# Altium PCB MB1312.PcbDoc (part 1 of 4)
Units mil, origin at the board's own origin, x right, y up, seen from the top; angles counter-clockwise.
Board outline 2755.91 x 5249.6 mil, 6 copper layers (Top Layer, GND, Signal, PWR, GND (Mid2), Bottom Layer), stack 74.545 mil thick; 297 components, 280 nets, 1142 pads, 623 vias.
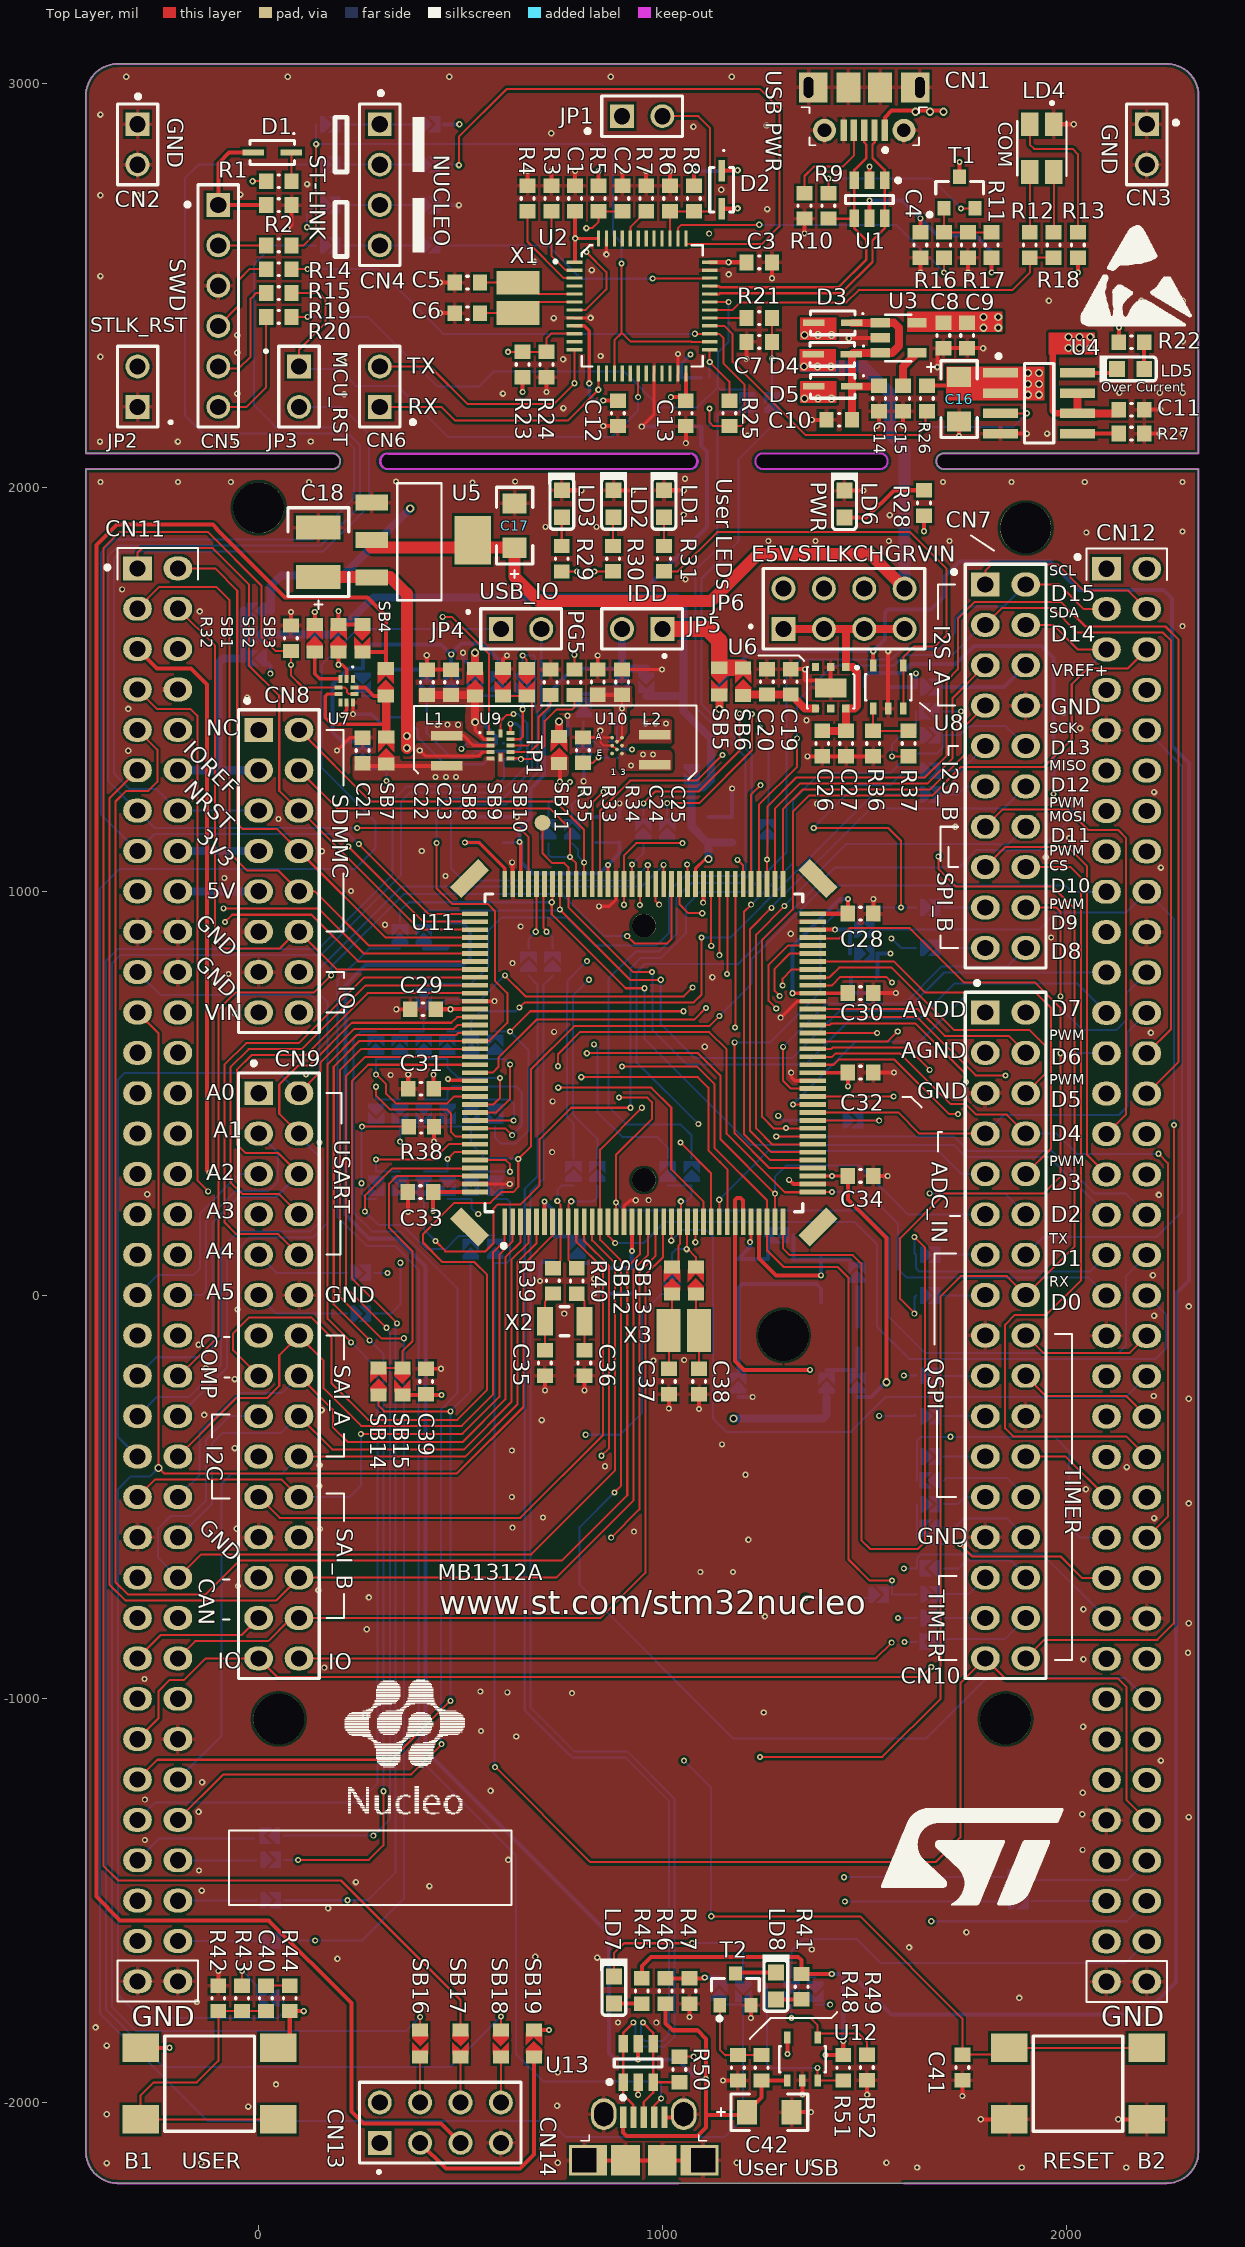
[diagram p0: Top Layer view]
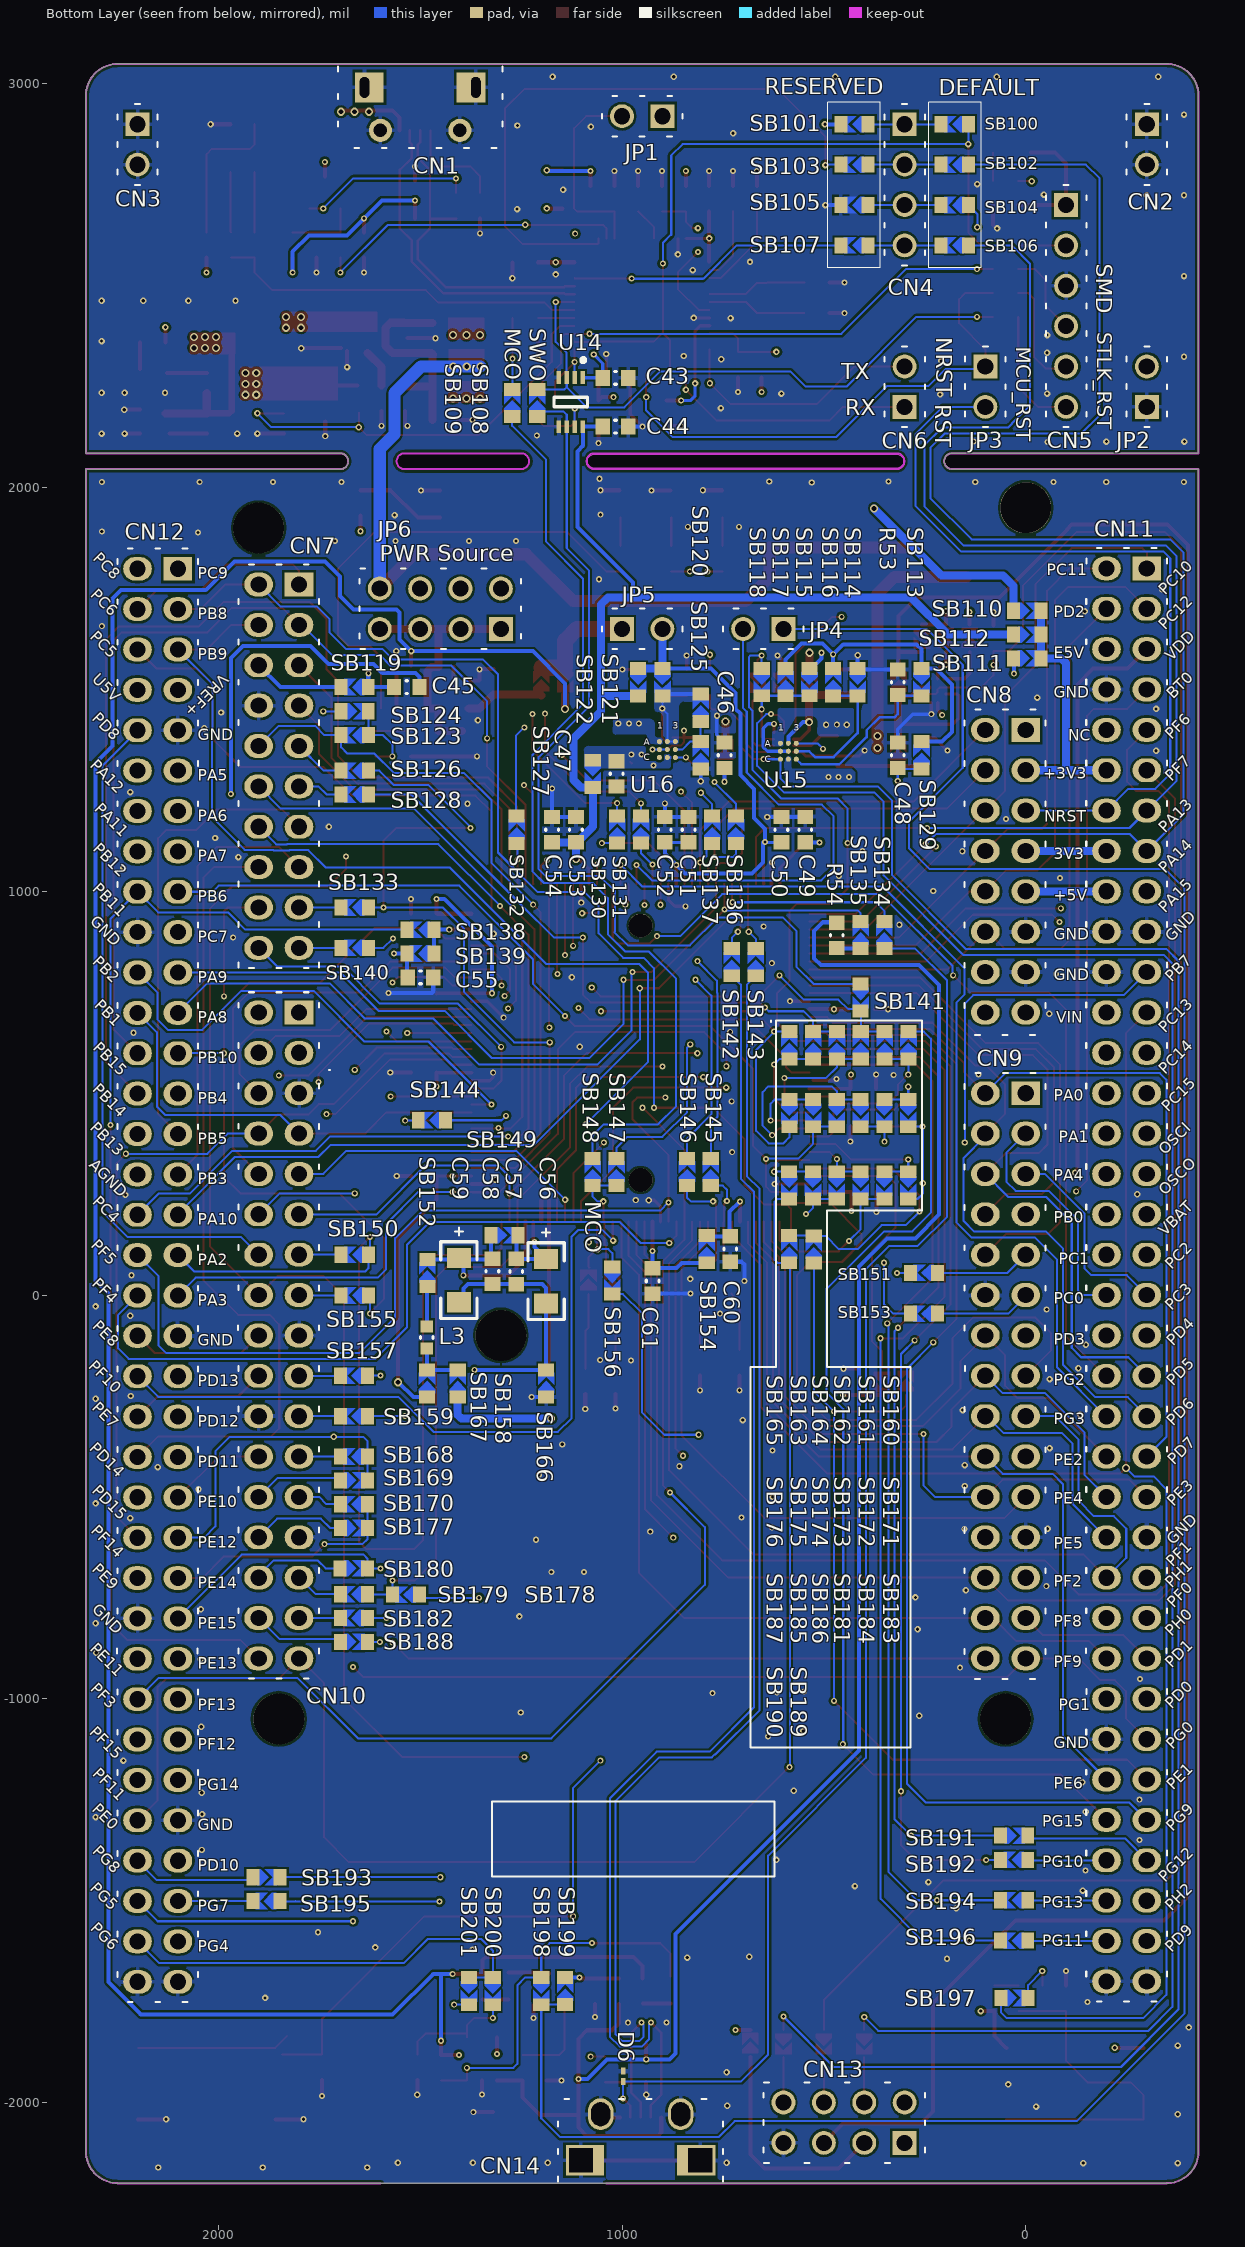
[diagram p1: Bottom Layer view, seen from below]
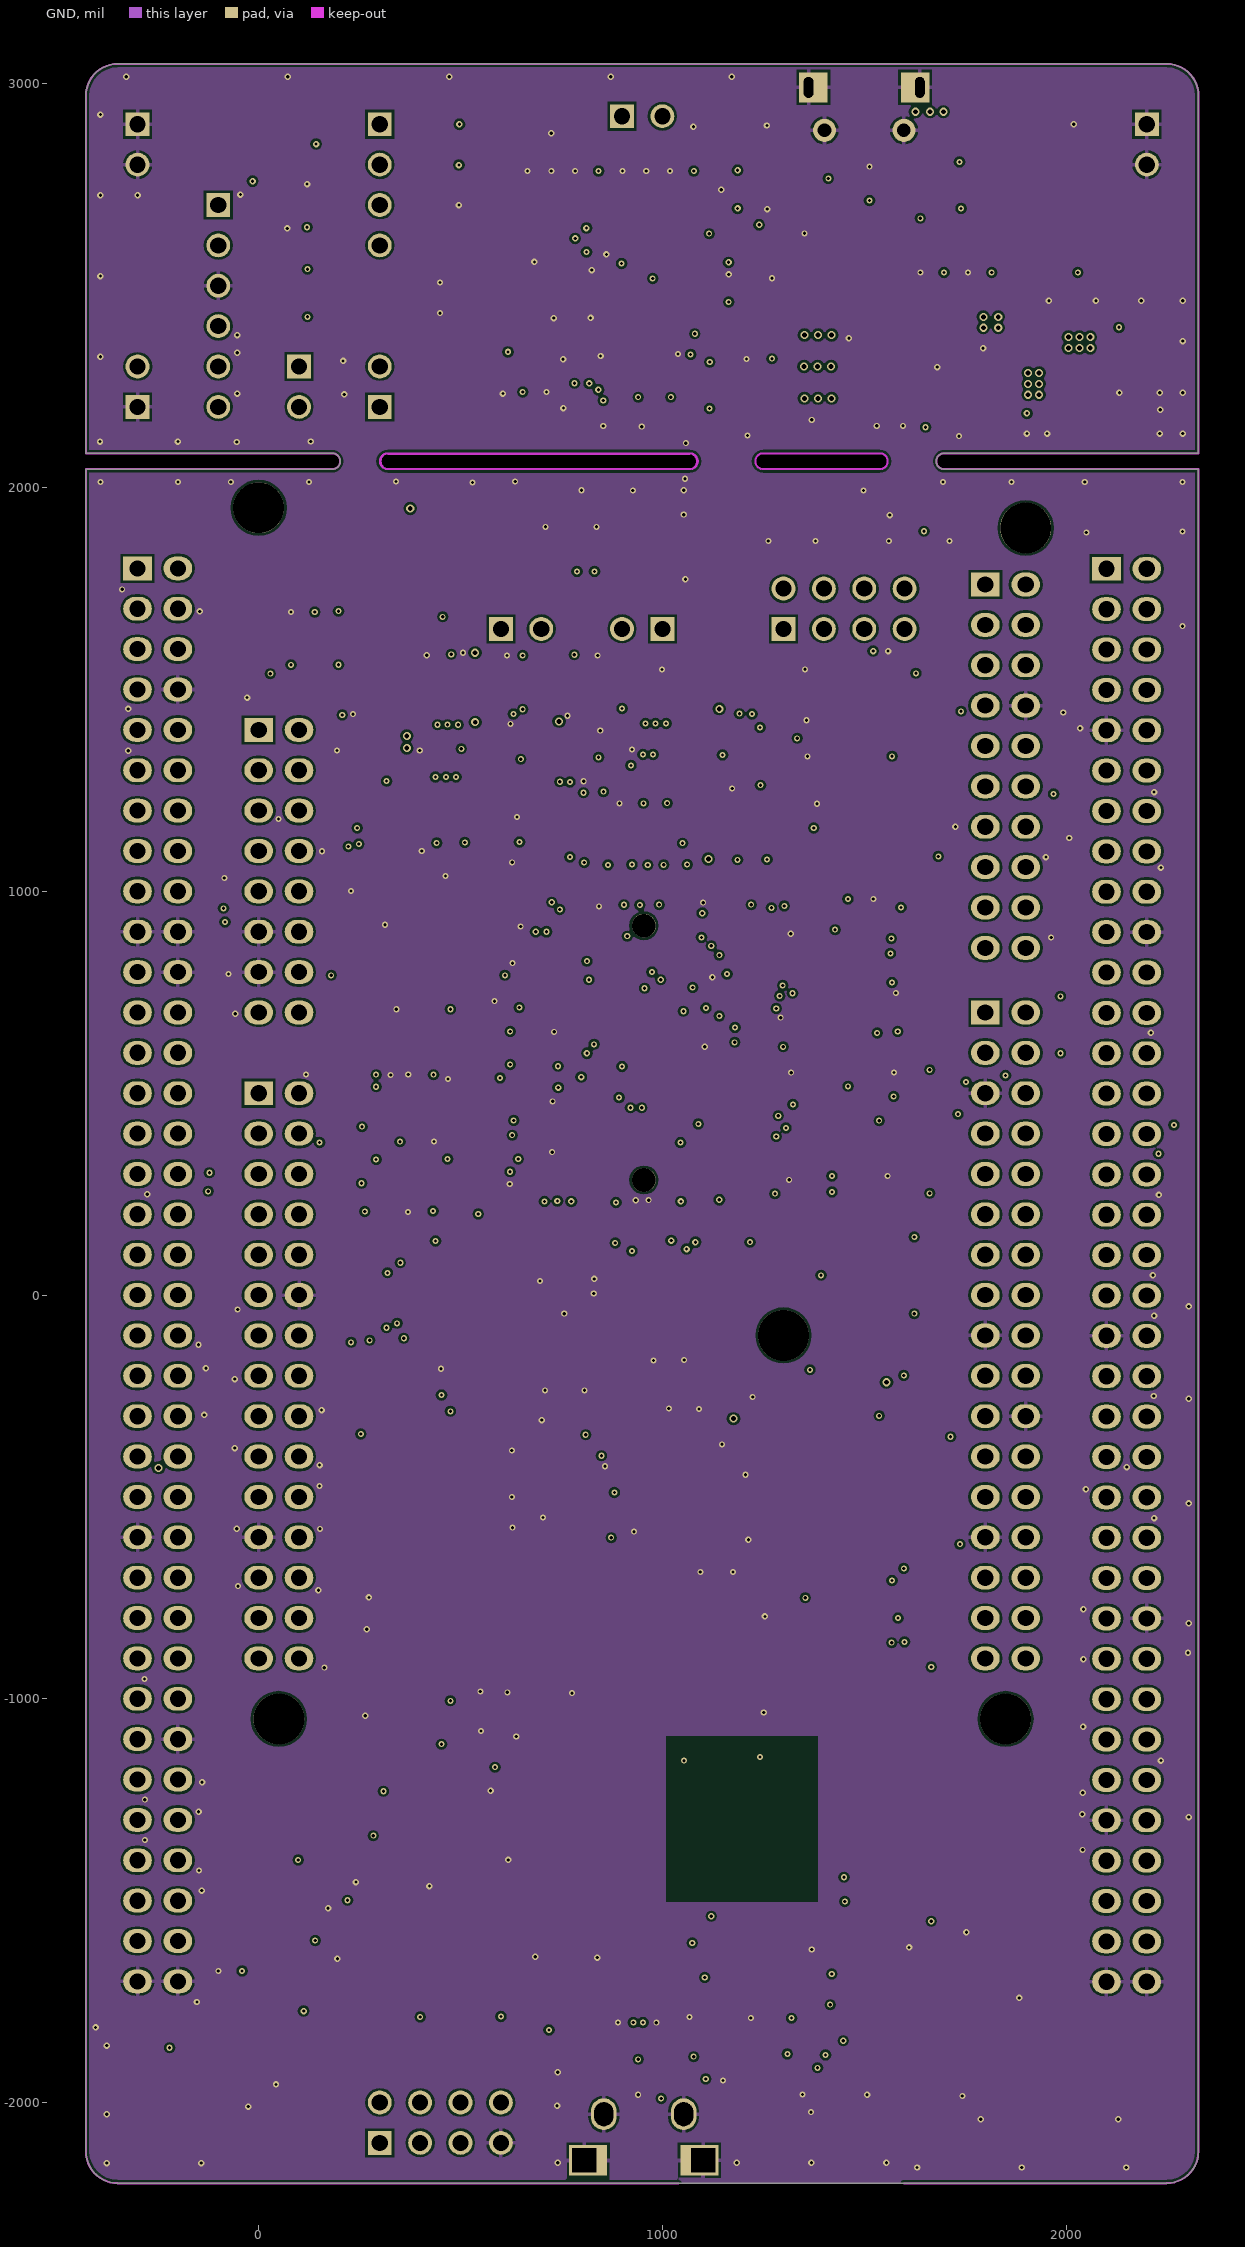
[diagram p2: GND]
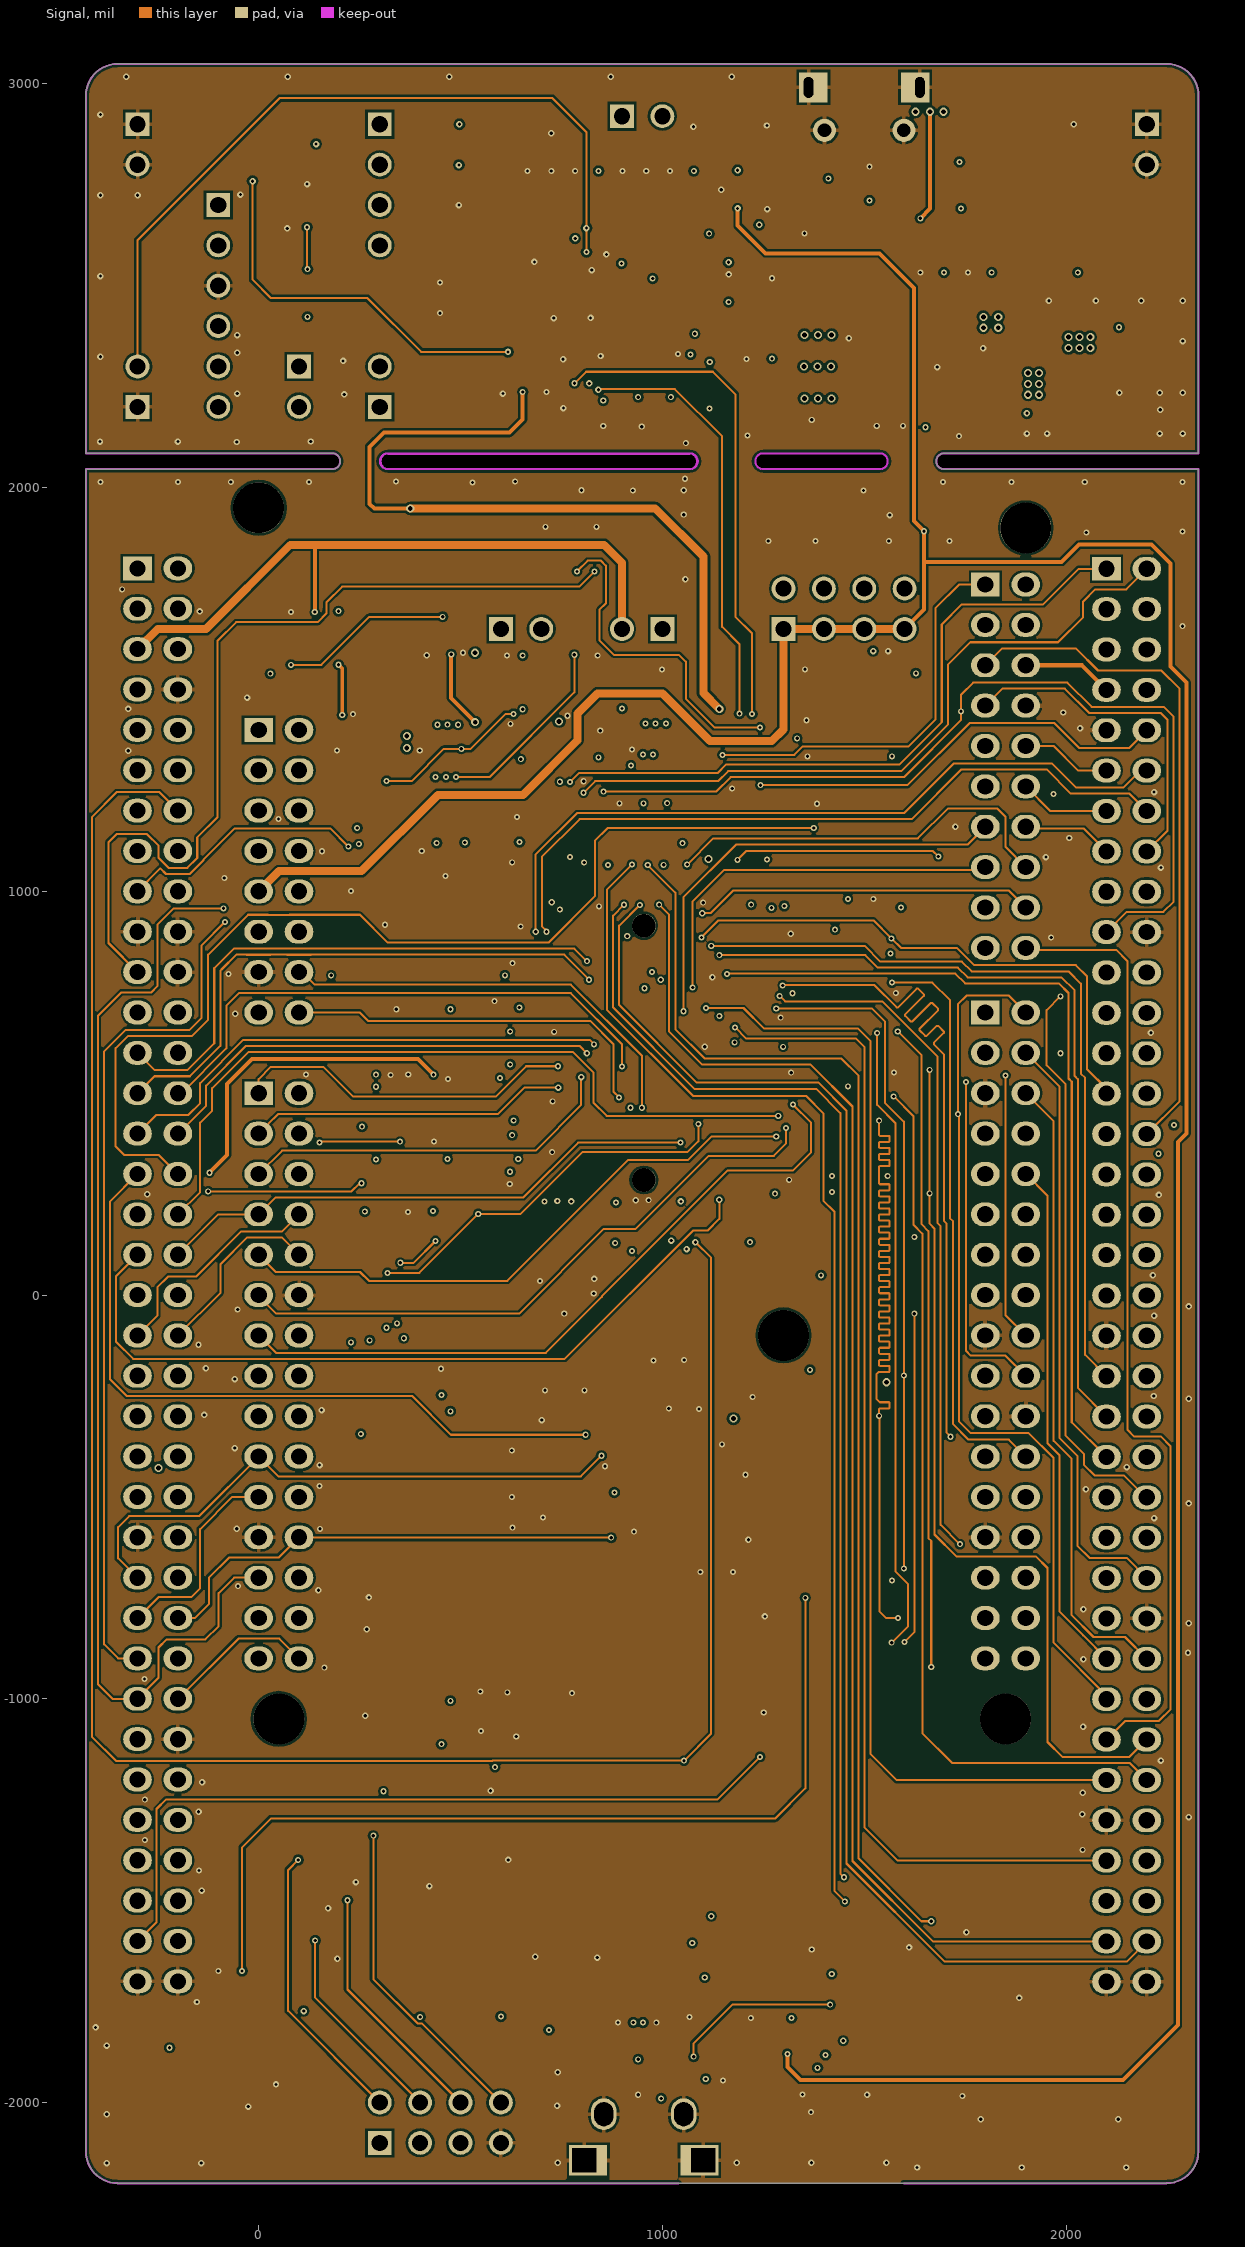
[diagram p3: Signal]
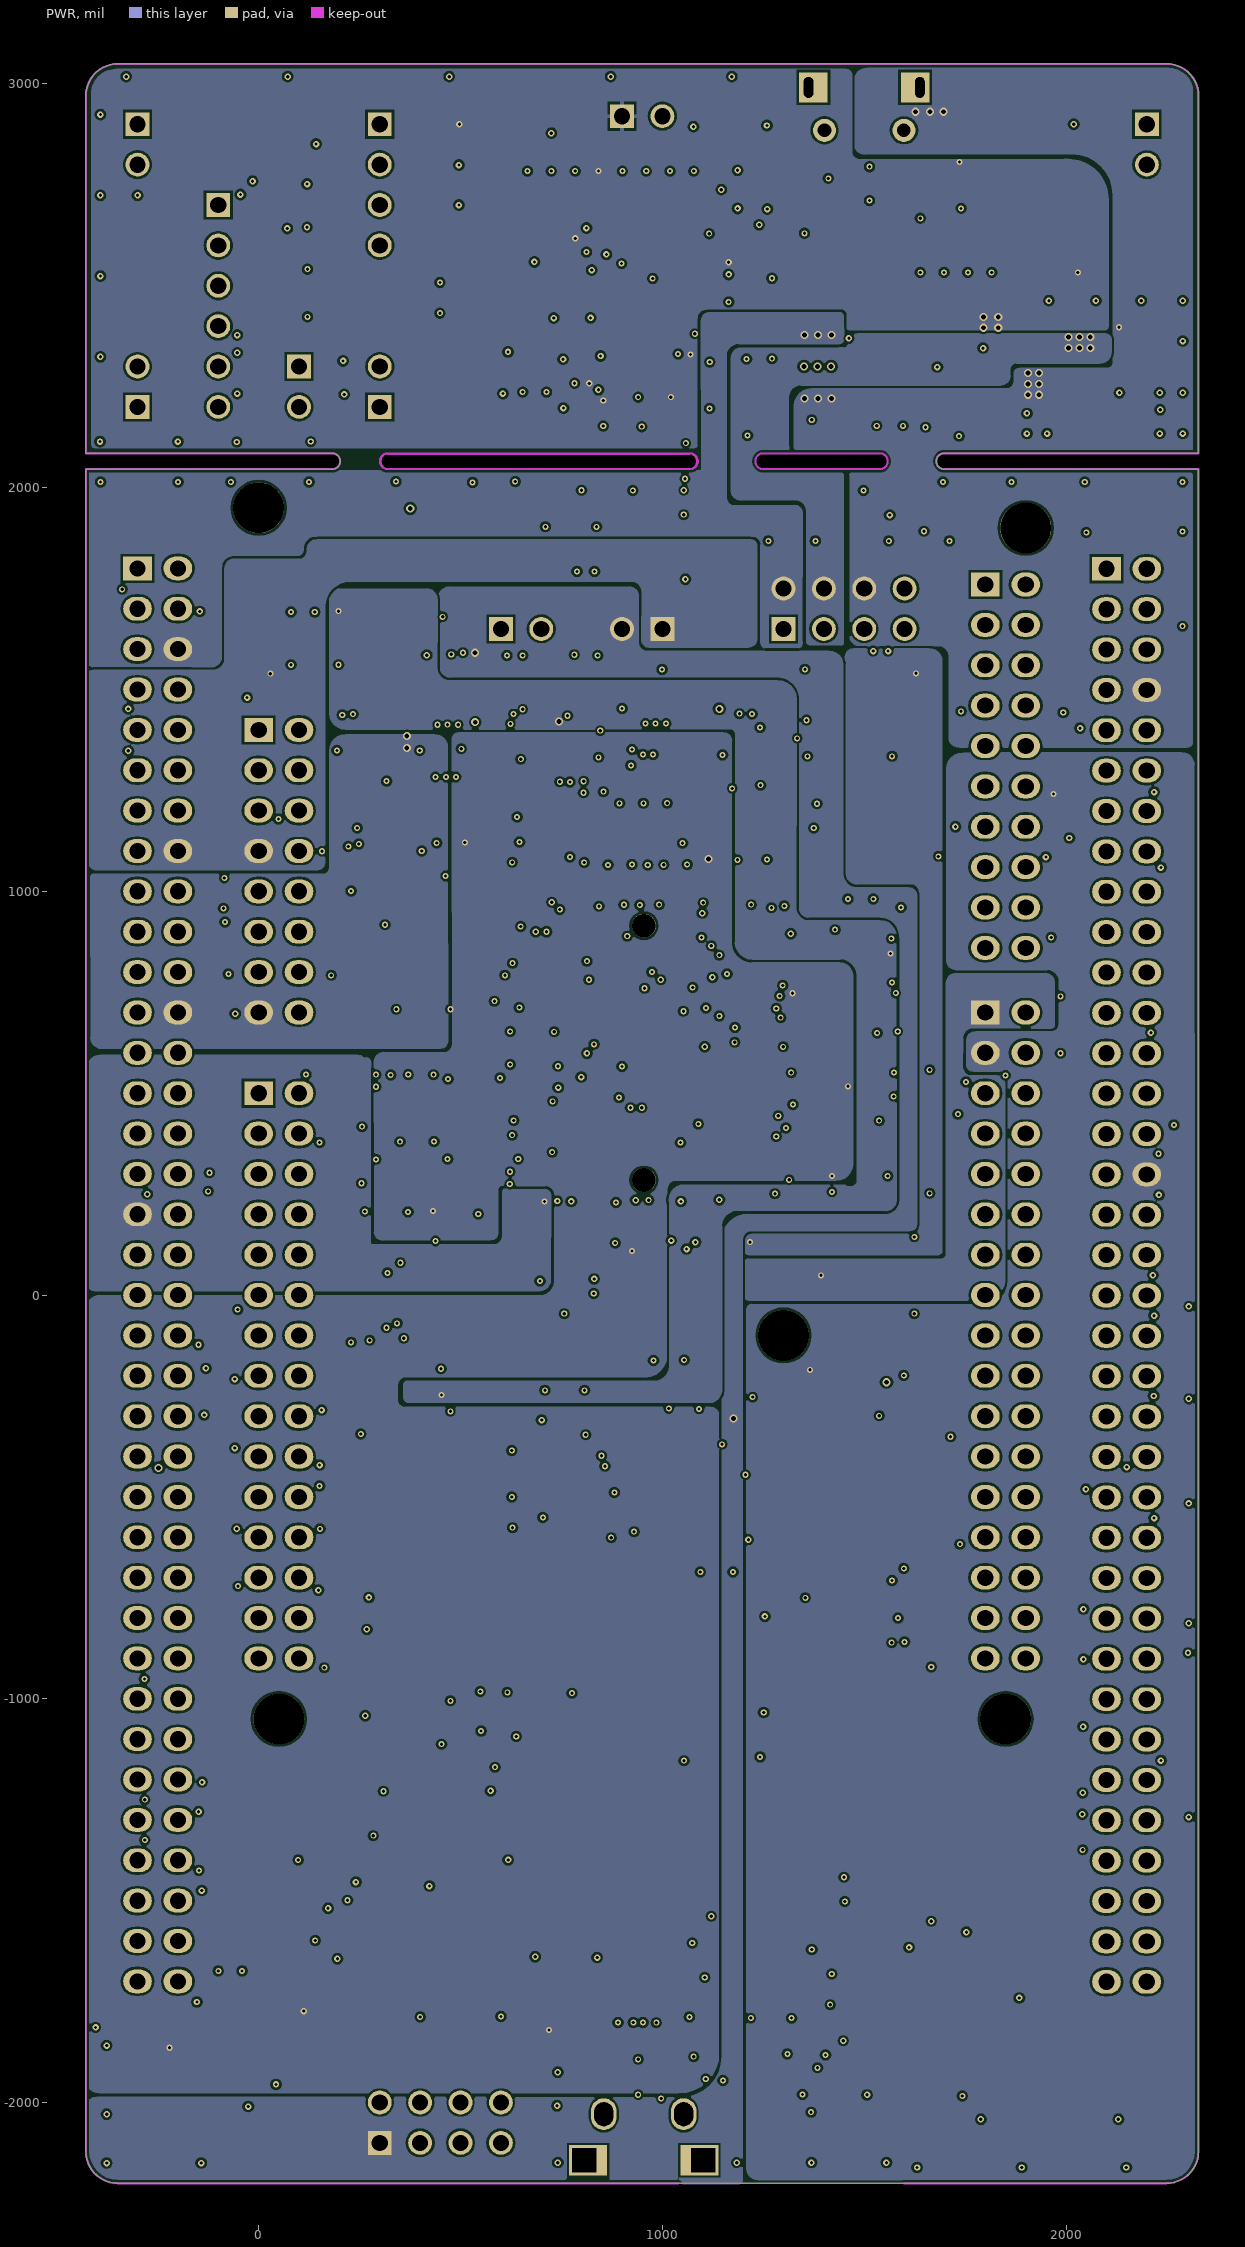
[diagram p4: PWR]
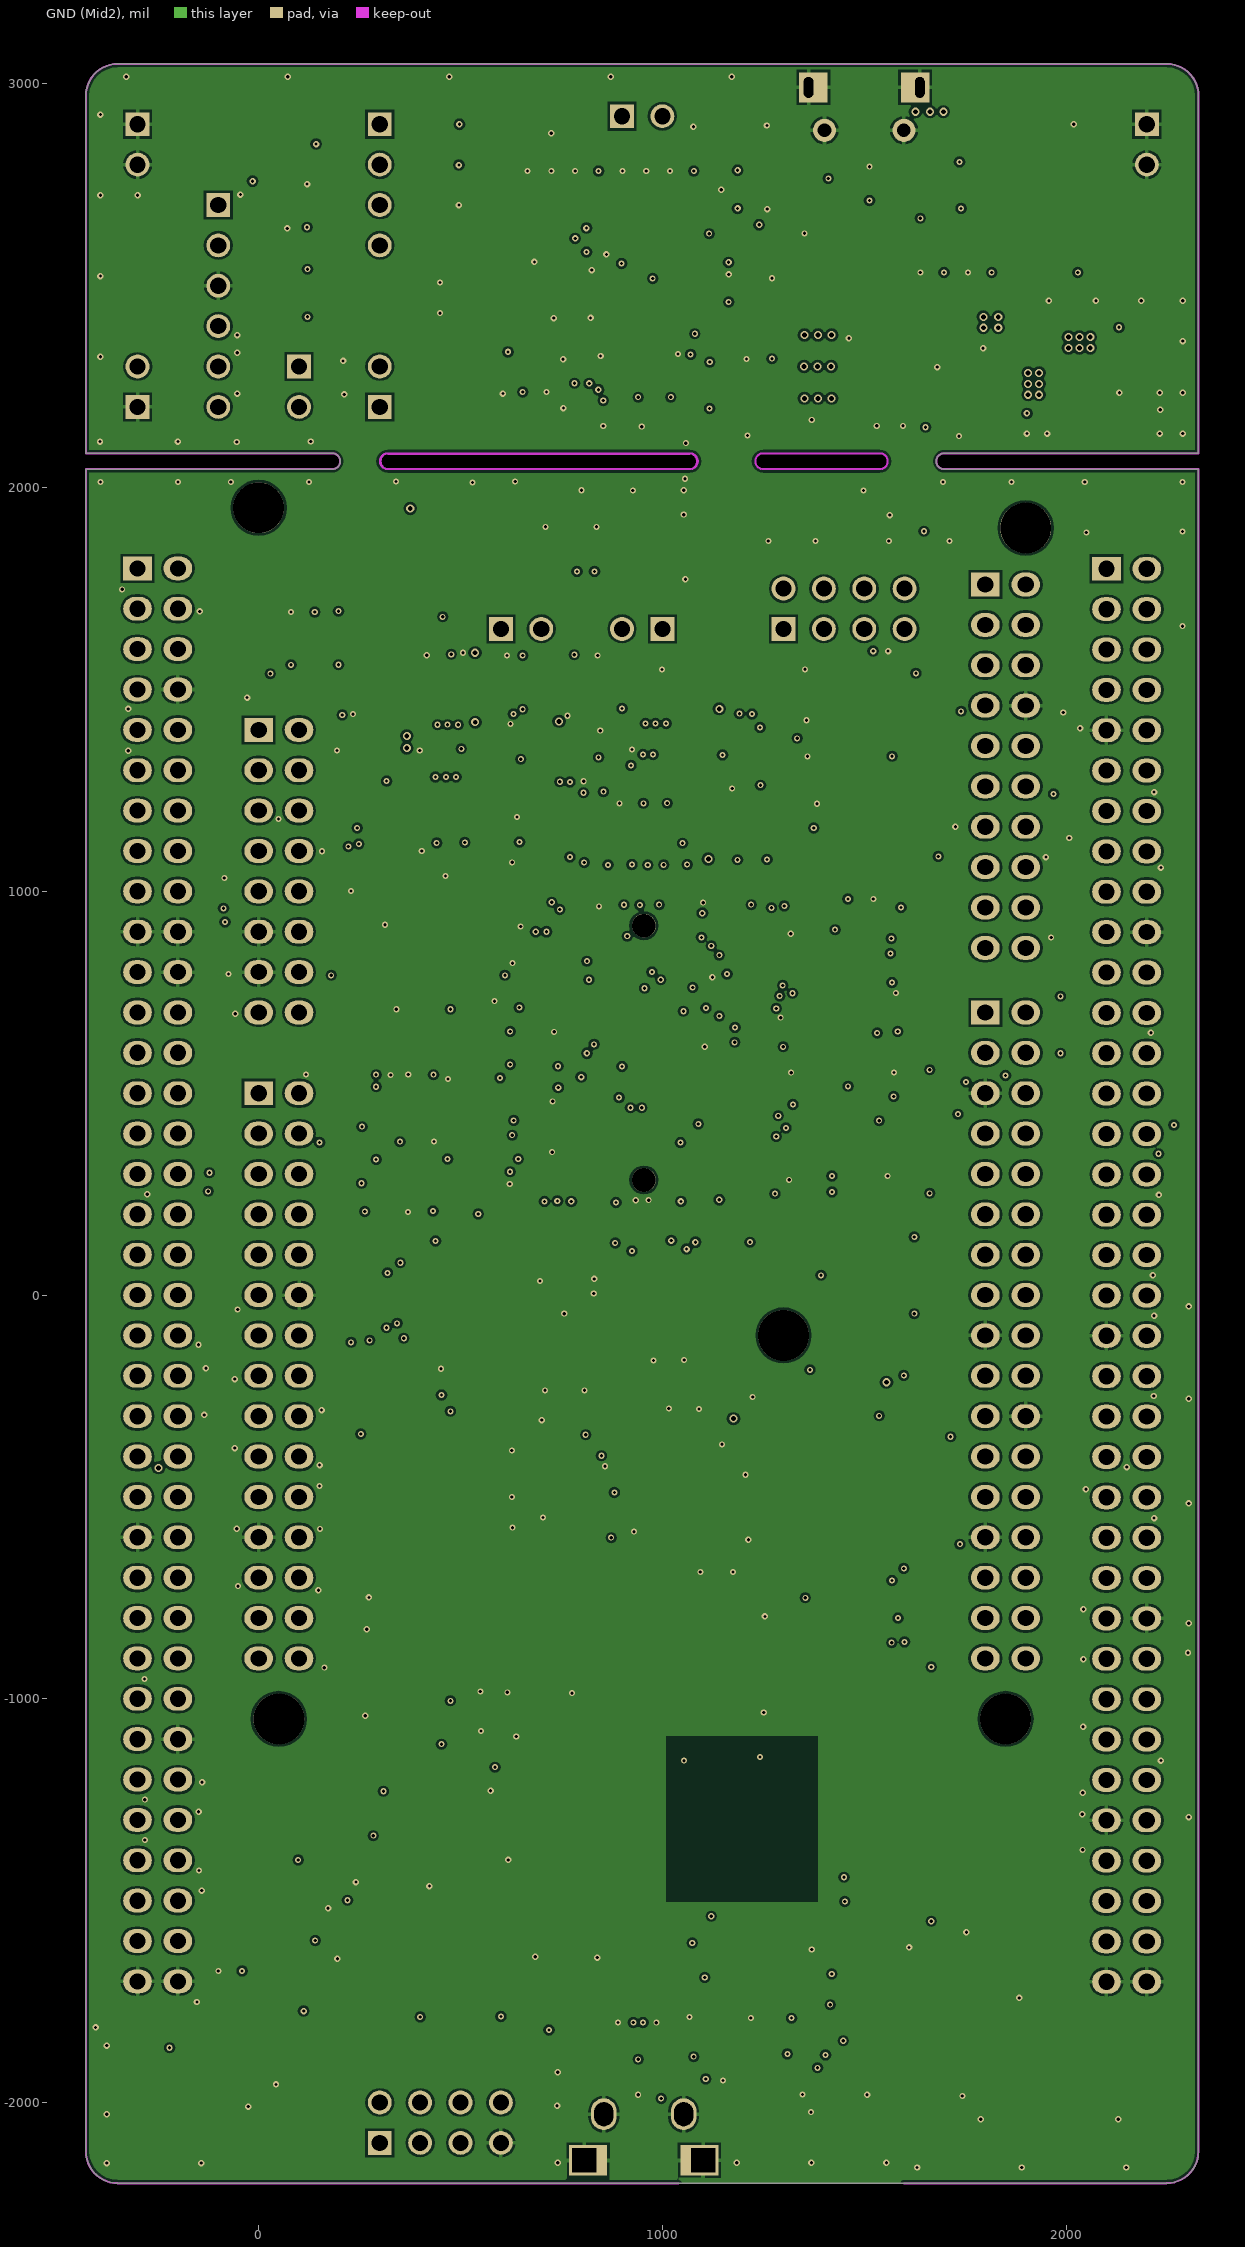
[diagram p5: GND (Mid2)]

## Layer stack, top to bottom
Top Layer: signal copper 1.4
Dielectric: core 15.748, FR-4, Dk 4.8
GND: signal copper 1.4
Dielectric: prepreg 9.4488, FR-4, Dk 4.8
Signal: signal copper 1.4
Dielectric: core 12.6, FR-4, Dk 4.8
PWR: signal copper 1.4
Dielectric: prepreg 12.6, FR-4, Dk 4.8
GND (Mid2): signal copper 1.4
Dielectric: core 15.748, FR-4, Dk 4.8
Bottom Layer: signal copper 1.4

## Board outline
-427.8,-2121.22 ccw(c-349.06,-2121.22) -349.06,-2199.96 -349.21,-2200 2249.21,-2200 2249.22,-2199.8 ccw(c2249.22,-2121.06) 2327.96,-2121.06 2327.96,2045.66 1698.03,2045.66 cw(c1698.03,2065.35) 1698.03,2085.03 2327.96,2085.03 2327.96,2970.86 ccw(c2249.22,2970.86) 2249.22,3049.6 -349.21,3049.6 ccw(c-349.21,2970.86) -427.95,2970.86 -427.95,2085.03 182.29,2085.03 cw(c182.29,2065.35) 182.29,2045.66 -427.95,2045.66
cut-out: 1250,2045.67 cw(c1250,2065.35) 1250,2085.04 1538.58,2085.04 cw(c1538.58,2065.35) 1538.58,2045.67
cut-out: 320.08,2048.18 320.1,2048.18 569.42,2048.18 1068.11,2048.18 cw(c1068.11,2045.67) 1068.13,2048.18 ccw(c1068.11,2065.35) 1085.28,2065.35 ccw(c1068.11,2065.35) 1068.11,2082.52 cw(c1068.11,2085.04) 1068.08,2082.52 1068.11,2082.52 569.42,2082.52 1068.08,2082.52 569.42,2082.52 320.08,2082.52 ccw(c320.08,2085.04) 320.1,2082.52 320.08,2082.52 569.42,2082.52 320.08,2082.52 ccw(c320.08,2065.35)
